# Altium PCB C210_220601.PcbDoc (part 7 of 7)
Units mm, origin at the board's own origin, x right, y up, seen from the top; angles counter-clockwise.
Board outline 68 x 129.5 mm, 6 copper layers (L1, L2, L3, L4, L5, L6), stack 1.64 mm thick; 493 components, 295 nets, 1739 pads, 1829 vias.
Unrouted connection lines stored in the file: 306.
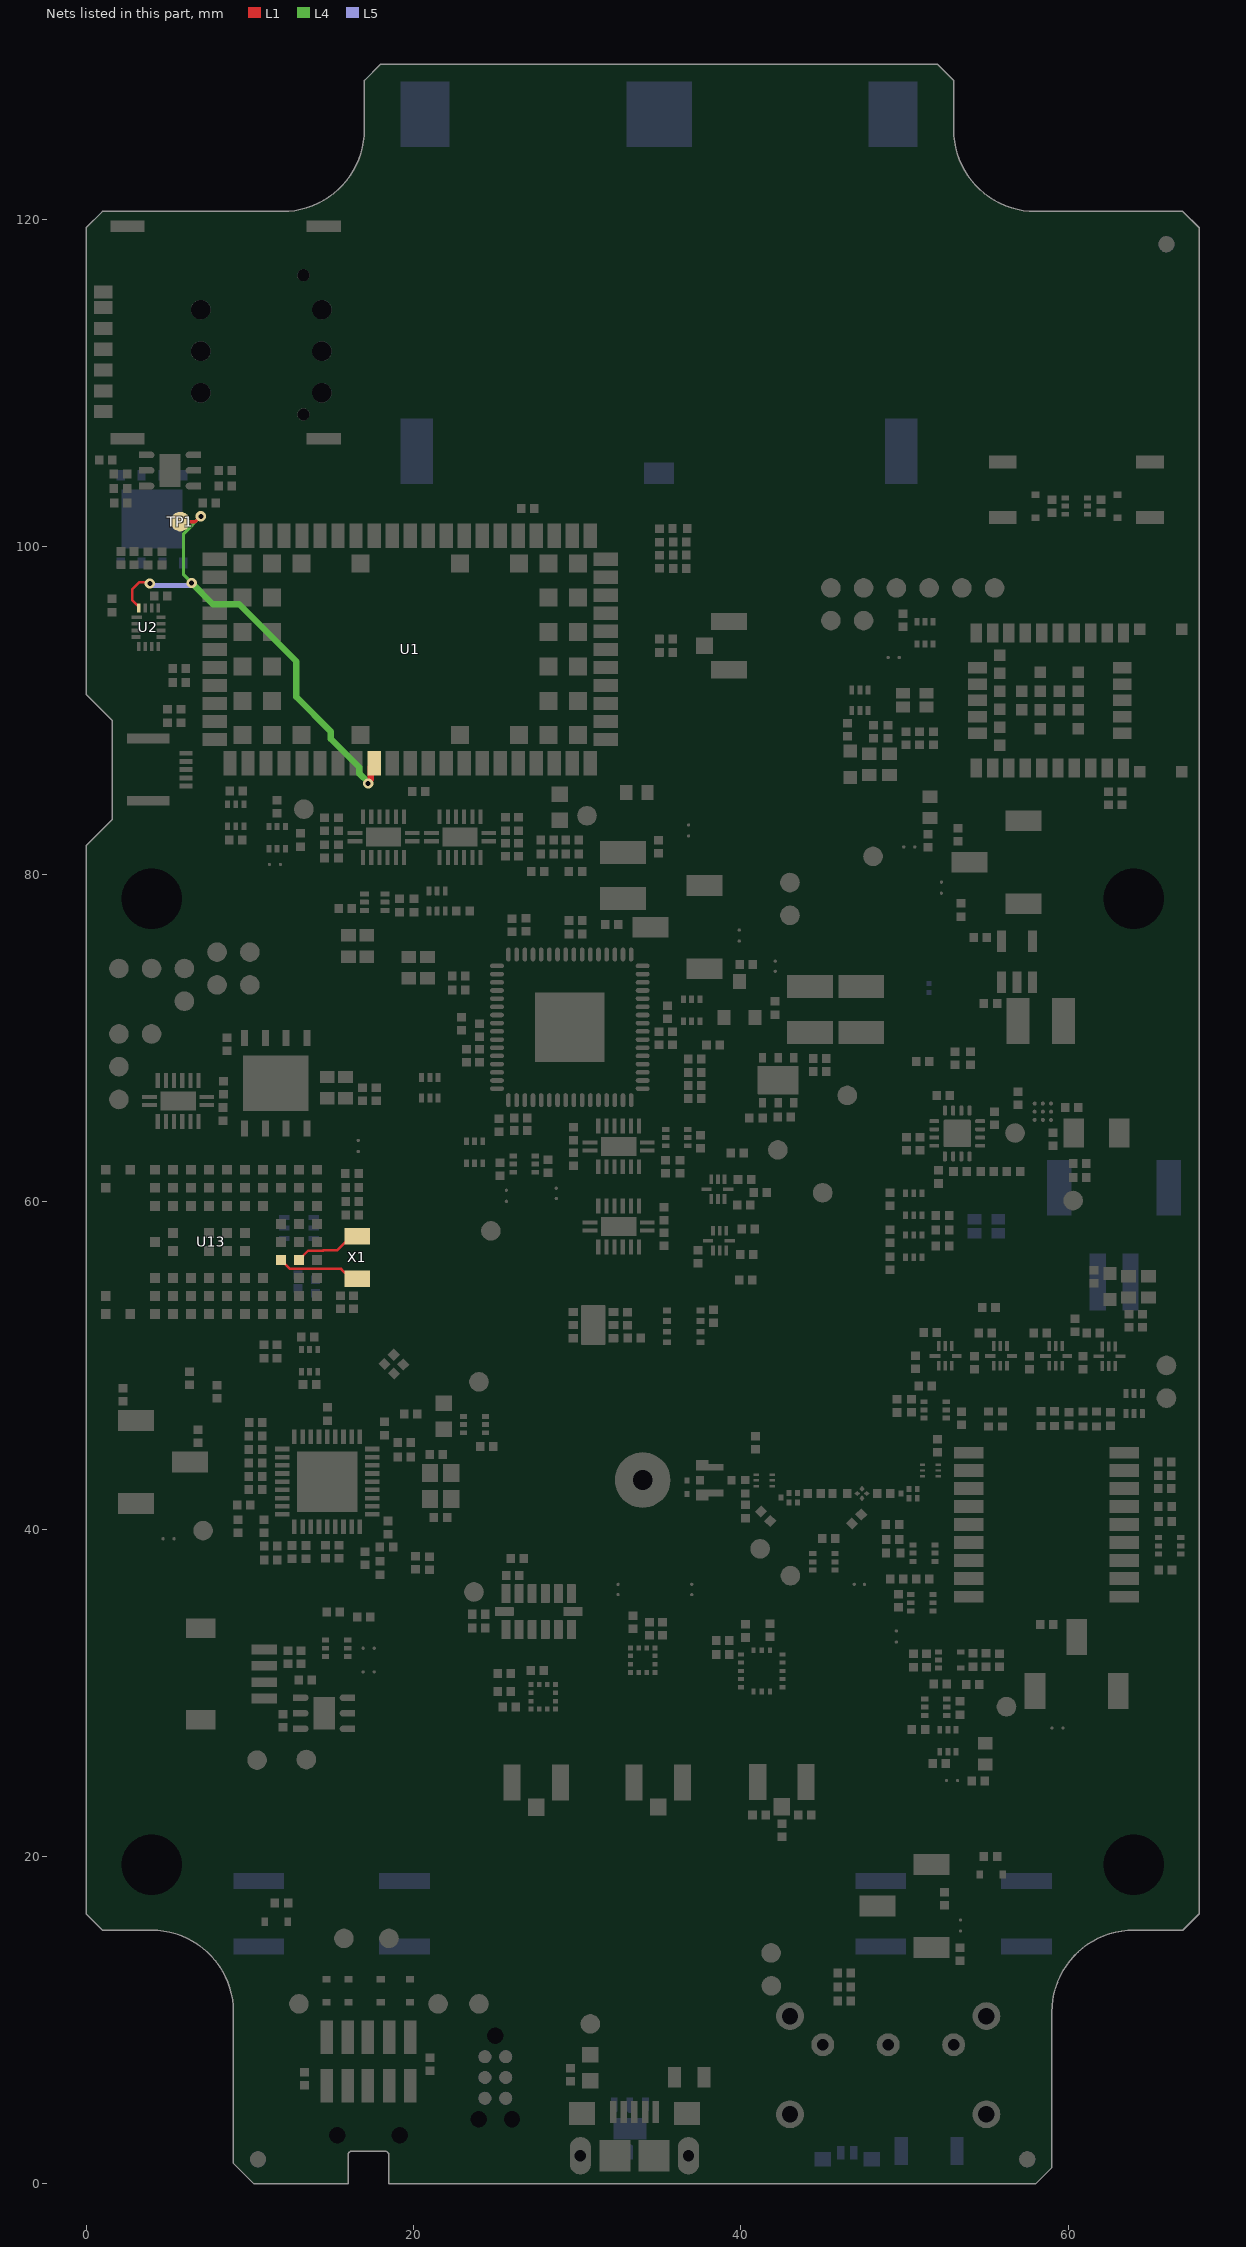
[diagram p11: the nets of this part, all layers, seen from the top]

## Via types
v1: diameter 0.635, hole 0.305, L1 to L6, tented both sides, 1829 vias

## Nets (pads, with @x,y where several pads share a name; then routed paths per layer and width w, separated by ;. In a path a pad name is that pad's centre, name@x,y a point inside that pad or via, vN(x,y) a via of type N, cw(c..) or ccw(c..) an arc to the next point about the centre after c; other vN are vias at no path point) (continued)
VSIM: TP1.1 U1.41 U2.16 | length 30.5
  L1 w0.152: U2.16@3.211,96.275 3.211,96.364 2.811,96.764 2.811,97.405 3.256,97.85 3.899,97.85 v1(3.899,97.768) ; U1.41@17.422,86.622 U1.41@17.6,86.8
  L1 w0.203: TP1.1@5.75,101.55 6.655,101.55 6.98,101.875 v1(7.005,101.875)
  L1 w0.381: v1(17.225,85.554) 17.225,85.623 17.39,85.788 17.39,86.59 U1.41@17.422,86.622
  L4 w0.203: v1(6.45,97.8) 5.95,98.3 5.95,100.82 v1(7.005,101.875)
  L4 w0.381: v1(6.45,97.8) 7.75,96.5 9.347,96.5 12.836,93.011 12.836,90.839 14.947,88.728 14.947,88.278 16.685,86.54 16.685,86.163 17.225,85.623 v1(17.225,85.554)
  L5 w0.305: v1(3.899,97.768) 4.019,97.649 6.299,97.649 v1(6.45,97.8)
XL1: U13.C6 X1.1 | length 4.7
  L1 w0.152: U13.C6@11.9,56.45 12.45,55.9 15.58,55.9 X1.1@16.155,55.325
XL2: U13.B6 X1.2 | length 4.2
  L1 w0.152: U13.B6@13,56.45 13.571,57.021 14.495,57.021 14.514,57.04 15.357,57.04 16.217,57.9 X1.2@16.575,57.9
pads on no net: A1.2 A1.3 A1.4 A1.5 A1.6 D1.5 D20.4 D20.5 D28.4 D28.5 ESIM.2 ESIM.4 ESIM.5 FD1.1 FD2.1 FD3.1 FD4.1 FD5.1 FD6.1 J11.7 J11.8 J11.MH1 J12.4 J13.1 J13.3 J13.5 J15.MH1 P1. P1.C6 Q14.6 Q16.3 Q27.3 Q28.3 SW1.3 U1.2 U1.16 U1.19 U1.21 U1.24 U1.31 U1.34 U1.35 U1.36 U1.37 U1.44 U1.45 U1.47 U1.48 U1.49 U1.62 U2.10 U3.2 U3.3 U3.4 U3.5 U3.11 U3.13 U3.15 U3.24 U3.25 U3.28 U3.29 U3.31 U3.32 U3.33 U3.34 U3.35 U3.36 U4.17 U5.17 U6.5 U6.6 U6.7 U6.10 U6.11 U6.19 U6.20 U6.21 U6.22 U6.23 U6.26 U6.27 U6.28 U6.29 U6.30 U6.31 U6.32 U6.33 U6.34 U6.35 U6.36 U6.37 U6.38 U6.40 U6.41 U6.42 U6.45 U6.50 U6.53 U7.9 U9.17 U10.12 U12.17 U13.A6 U13.J1 U13.J4 U13.J5 U13.K1 U13.K9 U15.17 U17.EPAD U23.8 U23.9 U23.11 U23.20 U23.21 U24.15 U26.3 U26.9 U26.10 U26.11 U27.7 U28.8 U30.11 U31.2
copper on no net: | length 309.4
  L1 w0.2: 204.513,27.571 227.881,27.571 227.881,29.984 204.513,29.984 204.513,27.571
  L3 w0.2: 204.513,21.526 227.881,21.526 227.881,23.939 204.513,23.939 204.513,21.526
  L4 w0.2: 204.513,18.529 227.881,18.529 227.881,20.942 204.513,20.942 204.513,18.529
  L2 w0.2: 204.513,24.574 204.513,26.987 227.881,26.987 227.881,24.574 204.513,24.574
  L5 w0.2: 204.513,15.43 204.513,17.843 227.881,17.843 227.881,15.43 204.513,15.43
  L6 w0.2: 204.513,12.458 227.881,12.458 227.881,14.871 204.513,14.871 204.513,12.458

## Polygon pours and split planes (outlines as drawn)
no net on Bottom Overlay "NONET_L01_P-001" (hatched 45Degree grid 1 track 0.203): 59.354,65 8.354,65 8.354,98 59.354,98
GND on L3 "NONET_L-01_P-001" (solid, remove dead copper, pour order 24): 68,103.5 68,108.465 54,108.465 54,103.45 16,103.45 16,120.493 1.096,120.596 0,119.5 0,108.075 0,16.5 1,15.5 4,15.5 cw(c4,10.5) 9,10.5 9,1.25 10.25,0 16,0 16,1.75 cw(c16.25,1.75) 16.25,2 18.25,2 cw(c18.25,1.75) 18.5,1.75 18.5,0 29,0 29.5,-0.5 37.5,-0.5 38,0 58,0 59,1 59,10.5 cw(c64,10.5) 64,15.5 67,15.5 68,16.5 68,86.627 64.462,86.623 64.485,94.625 68,94.626
3V3 on L5 "NONET_L-01_P-001" (solid, remove dead copper, pour order 25): 68,103.5 68,108.465 54,108.465 54,103.45 16,103.45 16,120.493 1.096,120.596 0,119.5 0,108.075 0,16.5 1,15.5 4,15.5 cw(c4,10.5) 9,10.5 9,1.25 10.25,0 16,0 16,1.75 cw(c16.25,1.75) 16.25,2 18.25,2 cw(c18.25,1.75) 18.5,1.75 18.5,0 29,0 29.5,-0.5 37.5,-0.5 38,0 58,0 59,1 59,10.5 cw(c64,10.5) 64,15.5 67,15.5 68,16.5 68,86.627 64.462,86.623 64.485,94.625 68,94.626
3V3_HUB on L5 "NONET_L-01_P-001" (solid, pour order 18): 8.211,45.811 11.175,48.775 19.575,48.775 19.8,48.55 19.8,40.4 17.125,37.725 12.364,37.725 8.211,41.878
3V3_SER on L5 "NONET_L-01_P-001" (solid, pour order 17): 20.422,70.13 20.422,70.694 20.422,75.896 21.572,76.825 31.375,76.825 31.625,76.575 31.625,76.183 36.845,70.963 36.845,70.507 30.299,63.961 25.91,63.961
GND on L1 "NONET_L-01_P-001" (solid, remove dead copper, pour order 21): 68,103.5 68,108.5 54.014,108.5 53.979,103.45 16,103.45 16,120.493 1.096,120.596 0,119.5 0,108.075 0,16.5 1,15.5 4,15.5 cw(c4,10.5) 9,10.5 9,1.25 10.25,0 16,0 16,1.75 cw(c16.25,1.75) 16.25,2 18.25,2 cw(c18.25,1.75) 18.5,1.75 18.5,0 29,0 29.5,-0.5 37.5,-0.5 38,0 58,0 59,1 59,10.5 cw(c64,10.5) 64,15.5 67,15.5 68,16.5 68,86.627 64.462,86.623 64.485,94.625 68,94.626
GND on L6 "NONET_L-01_P-001" (solid, remove dead copper, pour order 22): 68,103.5 68,119.5 67.345,120.155 54,120.231 54,103.45 16,103.45 16,120.493 1.096,120.596 0,119.5 0,108.075 0,16.5 1,15.5 4,15.5 cw(c4,10.5) 9,10.5 9,1.25 10.25,0 16,0 16,1.75 cw(c16.25,1.75) 16.25,2 18.25,2 cw(c18.25,1.75) 18.5,1.75 18.5,0 29,0 29.5,-0.5 37.5,-0.5 38,0 58,0 59,1 59,10.5 cw(c64,10.5) 64,15.5 67,15.5 68,16.5 68,86.627 64.462,86.623 64.485,94.625 68,94.626
GND on L2 "NONET_L-01_P-001" (solid, remove dead copper, pour order 23): 68,103.5 68,108.465 54,108.465 54,103.45 16,103.45 16,120.493 1.096,120.596 0,119.5 0,108.075 0,16.5 1,15.5 4,15.5 cw(c4,10.5) 9,10.5 9,1.25 10.25,0 16,0 16,1.75 cw(c16.25,1.75) 16.25,2 18.25,2 cw(c18.25,1.75) 18.5,1.75 18.5,0 29,0 29.5,-0.5 37.5,-0.5 38,0 58,0 59,1 59,10.5 cw(c64,10.5) 64,15.5 67,15.5 68,16.5 68,86.627 64.462,86.623 64.485,94.625 68,94.626
GND on L4 "NONET_L-01_P-001" (solid, remove dead copper, pour order 26): 68,103.5 68,108.465 54,108.465 54,103.45 16,103.45 16,120.493 1.096,120.596 0,119.5 0,108.075 0,16.5 1,15.5 4,15.5 cw(c4,10.5) 9,10.5 9,1.25 10.25,0 16,0 16,1.75 cw(c16.25,1.75) 16.25,2 18.25,2 cw(c18.25,1.75) 18.5,1.75 18.5,0 29,0 29.5,-0.5 37.5,-0.5 38,0 58,0 59,1 59,10.5 cw(c64,10.5) 64,15.5 67,15.5 68,16.5 68,86.627 64.462,86.623 64.485,94.625 68,94.626

## Keep-outs
Keep-Out Layer:
  rectangle: 204.513,-5.728 209.339,-3.315
  lines w0.2: 227.881,-5.728 204.513,-5.728 204.513,-3.315 227.881,-3.315
  text "Routing Keepout Layer" at 211.117,-5.042 h1.02

## Other copper
L1:
  rectangle: 204.513,27.571 209.339,29.984
  pour cut-out: 53,75.5 ccw(c52.5,75.5) 52.5,76 50.5,76 ccw(c50.5,75.5) 50,75.5 50,70.5 ccw(c50.5,70.5) 50.5,70 52.5,70 ccw(c52.5,70.5) 53,70.5
  pour cut-out: 34,46.381 ccw(c34,43) 30.619,43 ccw(c34,43) 34,39.619 ccw(c34,43) 37.381,43 ccw(c34,43)
  pour cut-out: 38.275,94.918 40.375,94.918 40.525,94.768 40.525,93.168 40.375,93.018 38.275,93.018
  pour cut-out: 41.164,25.252 41.707,25.796 43.302,25.796 43.863,25.236 43.863,21.979 42.948,21.452 42.085,21.445 41.141,21.996
  pour cut-out: 34,25.625 34.152,25.777 35.748,25.779 35.904,25.623 35.904,23.291 34,23.288
  pour cut-out: 26.55,25.573 26.702,25.726 28.298,25.727 28.454,25.571 28.454,23.24 26.55,23.236
  text ".Layer_Name" at 211.117,28.257 h1.02
L3:
  rectangle: 204.513,21.526 209.339,23.939
  pour cut-out: 53,75.5 ccw(c52.5,75.5) 52.5,76 50.5,76 ccw(c50.5,75.5) 50,75.5 50,70.5 ccw(c50.5,70.5) 50.5,70 52.5,70 ccw(c52.5,70.5) 53,70.5
  pour cut-out: 34,46.381 ccw(c34,43) 30.619,43 ccw(c34,43) 34,39.619 ccw(c34,43) 37.381,43 ccw(c34,43)
  text ".Layer_Name" at 211.117,22.212 h1.02
L4:
  rectangle: 204.513,18.529 209.339,20.942
  pour cut-out: 53,75.5 ccw(c52.5,75.5) 52.5,76 50.5,76 ccw(c50.5,75.5) 50,75.5 50,70.5 ccw(c50.5,70.5) 50.5,70 52.5,70 ccw(c52.5,70.5) 53,70.5
  pour cut-out: 34,46.381 ccw(c34,43) 30.619,43 ccw(c34,43) 34,39.619 ccw(c34,43) 37.381,43 ccw(c34,43)
  text ".Layer_Name" at 211.117,19.215 h1.02
L2:
  rectangle: 204.513,24.574 209.339,26.987
  pour cut-out: 53,75.5 ccw(c52.5,75.5) 52.5,76 50.5,76 ccw(c50.5,75.5) 50,75.5 50,70.5 ccw(c50.5,70.5) 50.5,70 52.5,70 ccw(c52.5,70.5) 53,70.5
  pour cut-out: 34,46.381 ccw(c34,43) 30.619,43 ccw(c34,43) 34,39.619 ccw(c34,43) 37.381,43 ccw(c34,43)
  text ".Layer_Name" at 211.117,25.26 h1.02
L5:
  rectangle: 204.513,15.43 209.339,17.843
  pour cut-out: 53,75.5 ccw(c52.5,75.5) 52.5,76 50.5,76 ccw(c50.5,75.5) 50,75.5 50,70.5 ccw(c50.5,70.5) 50.5,70 52.5,70 ccw(c52.5,70.5) 53,70.5
  pour cut-out: 34,46.381 ccw(c34,43) 30.619,43 ccw(c34,43) 34,39.619 ccw(c34,43) 37.381,43 ccw(c34,43)
  text ".Layer_Name" at 211.117,16.116 h1.02
L6:
  rectangle: 204.513,12.458 209.339,14.871
  pour cut-out: 53,75.5 ccw(c52.5,75.5) 52.5,76 50.5,76 ccw(c50.5,75.5) 50,75.5 50,70.5 ccw(c50.5,70.5) 50.5,70 52.5,70 ccw(c52.5,70.5) 53,70.5
  pour cut-out: 34,46.381 ccw(c34,43) 30.619,43 ccw(c34,43) 34,39.619 ccw(c34,43) 37.381,43 ccw(c34,43)
  text ".Layer_Name" at 211.117,13.144 h1.02
Multi-Layer:
  rectangle: 204.513,-8.776 209.339,-6.363
  lines w0.2: 204.513,-8.776 227.881,-8.776 227.881,-6.363 204.513,-6.363 204.513,-8.776
  text "Multilayer" at 211.117,-8.09 h0.5

## Silkscreen, mask and mechanical layers (free items; w line width, h text height)
Top Overlay:
  drawing of 196 lines, arcs and shapes, not listed
  text ".GlobalProjectLink" at 31.204,118.696 h2.54
  text "Nano SIM" at 16.275,115.798 h2.5
  text "PUSH INSERT" at 16.697,114.498 h1.5
  text "PUSH EJECT" at 16.675,113.325 h1.5
  text "C210" at 27.975,113.275 h3.81
  text "Application / Development / Platform" at 36.249,111.938 h2.5
  text "CAUTION!" at 54.751,111.8 h1.5
  text ".GlobalProjectRevision" at 42.414,111.75 h1.75
  text "DISCONNECT AND REMOVE BATTERY FROM BOARD (OPPOSITE SIDE) BEFORE PERFORMING ANY SOLDERING OPERATIONS" at 54.738,107.75 h1.1
  text "SARA-R510S" at 10.178,102.128 h3
  text "NINA UART" at 44.407,101.214 h1.5
  text "BUTTON 4" at 53.06,100.364 h1.5
  text "BUTTON 5" at 61.626,100.264 h1.5
  text "RTS" at 55.173,98.525 h1.5
  text "DSR" at 46.25,98.506 h1.5 r90
  text "CTS" at 52.45,98.5 h1.5
  text "DTR" at 48.4,98.452 h1.5 r90
  text "TX" at 50.309,98.105 h1.5 r90
  text "RX" at 52.276,98.099 h1.5 r90
  text "VSIM" at 6.511,96.457 h1.5 r90
  text "NINA-W1" at 57.003,96.164 h3
  text "GND>" at 40.785,95.057 h1.25
  text "SAFE_BOOT" at 40.826,93.819 h1.25
  text "NINA Status:" at 41.833,91.875 h1.5
  text "NFC" at 3.452,89.002 h2.5 r90
  text "SARA PWR" at 33.119,85.75 h1.75
  text "SARA 1V8" at 9.862,84.925 h1.1
  text "SARA" at 41.525,84.304 h2 r90
  text "RX" at 48.25,83.756 h1.1 r90
  text "TX" at 49.206,83.74 h1.1 r90
  text "I" at 41.074,83.354 h3 r90
  text "<GND" at 58.45,82.875 h1.5
  text "NINA / PWR" at 50.881,82.717 h1.1 r90
  text "USB/ / UART" at 47.46,82.217 h1.1 r90
  text "A" at 40.774,81.361 h2 r90
  text "VCC_NINA" at 41.482,80.649 h1.3
  text "<GND" at 38.3,80.585 h1.5 r90
  text "DDC_SDA" at 44.022,78.627 h1.4
  text "DDC_SCL" at 44.021,76.575 h1.4
  text "SARA USB/ / UART" at 7.5,76.25 h1.5
  text "RX" at 13.75,75.08 h1.5 r90
  text "TX" at 12,74.904 h1.5 r90
  text "A" at 58.92,74 h2
  text "I" at 60.912,73.65 h3
  text "NINA" at 62.056,73.2 h2
  text "TX" at 17.5,72.455 h1.25 r90
  text "RX" at 16.375,72.43 h1.25 r90
  text "CTS" at 12,72.35 h1.5 r90
  text "RTS" at 13.75,72.35 h1.5 r90
  text "RX" at 3.475,71.98 h1.25 r90
  text "TX" at 2.3,71.878 h1.25 r90
  text "CTS" at 3.885,71.585 h1.25 r45
  text "SARA-NORA UART" at 9.55,71.35 h1.25
  text "RTS" at 6.525,71.3 h1.25
  text "RX" at 20.106,71.205 h1.25 r90
  text "TX" at 21.242,71.205 h1.25 r90
  text "NORA  / USB/ / UART" at 16.036,68.25 h1.25
  text "RX" at 15.05,68.205 h1.25 r90
  text "TX" at 15.95,68.18 h1.25 r90
  text "CTS" at 2.575,68.05 h1.25
  text "RTS" at 0.8,64.55 h1.25
  text "V_BAT" at 48.551,63.301 h1.5 r90
  text "3V3" at 43.065,62.325 h1.5
  text "Li-ION" at 61.308,59.25 h1.5
  text "RX" at 64.054,56.516 h1.1 r90
  text "TX" at 65.175,56.515 h1.1 r90
  text "USB/ / UART" at 62.95,56.266 h1.1 r90
  text "ALT_INT" at 22.432,56.241 h1.4
  text "3V3_SER" at 46.175,54.241 h1.5 r90
  text "TX" at 66.726,50.591 h1.75 r90
  text "NORA-B1" at 1.176,50.409 h2.5
  text "THERMOMETER/ / HYGROMETER" at 28.128,48.85 h1.5
  text "3V3_HUB" at 26.012,48.142 h1.4 r90
  text "MAX UART" at 67.675,45.753 h1.5 r90
  text "RX" at 66.675,44.98 h1.75 r90
  text "VCC_MAX_RF" at 32.513,38.001 h1.4
  text "GND>" at 3.518,37.35 h1.4 r90
  text "VDD_NORA" at 3.619,37.075 h1.4
  text "ACCEL_INT" at 24.876,36.54 h1.5 r90
  text "A" at 0.574,35.885 h2
  text "I" at 2.184,35.552 h3
  text "VCC_LNA" at 39.826,35.401 h1.4
  text "NORA" at 3.191,35.3 h2
  text ".Layer_Name" at 211.117,34.251 h1.02
  text "ACCELEROMETER" at 21.003,32.1 h1.5
  text "MAGNETO- / METER" at 30.753,28.95 h1.5
  text "<GND" at 62.571,28.719 h1.5 r270
  text "GYROSCOPE" at 37.452,28.65 h1.5
  text "LOAD" at 40.38,26.251 h1.5
  text "EXPANSION PORT" at 5.65,26.233 h1.5 r90
  text "OPEN" at 25.562,26.25 h1.5
  text "SHORT" at 32.875,26.25 h1.5
  text "A" at 58.695,23.8 h2
  text "VCC_MAX" at 56.625,23.749 h1.1 r90
  text "Y" at 30.272,22.36 h1.5
  text "MAX-M10S" at 67.552,22.227 h2.5 r90
  text "I" at 56.573,22.096 h3
  text "MAX" at 57.591,21.646 h2
  text "I2C_SCL" at 10.802,19.875 h1.5 r90
  text "I2C_SDA" at 13.775,19.85 h1.5 r90
  text "GND>" at 44.8,18.95 h1.5
  text "I" at 40.768,17.4 h3
  text "Z" at 30.03,17.25 h1.5
  text "BOARD" at 41.73,17 h1.5
  text "X" at 36.03,16.75 h1.5
  text "SWCLK" at 16.511,16.051 h1.5 r90
  text "SWO" at 19.386,16.051 h1.5 r90
  text "A" at 42.703,15.279 h2
  text "SENSOR ORIENTATION" at 27.783,14.5 h1.5
  text "SYS_RST" at 35.31,13.175 h1.5
  text "SWDIO" at 13.764,12.098 h1.5 r90
  text "RESET" at 22.836,12.051 h1.5 r90
  text "GND" at 24.967,11.938 h1.5 r90
  text "CHRG_OUT" at 34.15,11.171 h1.5
  text "VBUS" at 32.586,8.151 h1.5 r90
  text "TAG-CONNECT / TC2030-CTX-NL" at 27.746,4.82 h1.1 r90
  text "OFF" at 58,3.771 h2.54 r90
  text "ON" at 42,3.651 h2.54 r90
  text "SWD INTERFACE TO NORA-B1 HOST" at 20.675,0.587 h1.4
Bottom Overlay:
  drawing of 485 lines, arcs and shapes, not listed
  text "RoHS" at 66.95,106.5 h2.54
  text "CAUTION!" at 19.199,102 h1.5
  text "LTE-M/NB-IOT CELLULAR ANTENNA" at 47.733,101.5 h1.75
  text "DISCONNECT AND REMOVE BATTERY FROM BOARD BEFORE PERFORMING ANY SOLDERING OPERATIONS" at 19.287,98.875 h1.1
  text "EMOO" at 55.269,70.752 h2 r270
  text "Li-PO" at 58.222,62.353 h3
  text "RGB LED" at 53.212,57.25 h2
  text "LIGHT SENSOR" at 21.397,56.979 h2
  text "In loving memory of Joakim Rydén - a dearly beloved friend and colleague." at 45.838,29.475 h2.5
  text "+5dBi RHCP GNSS ANTENNA" at 48.25,26.5 h2
  text "1570 - 1610MHz" at 40.914,24.85 h2
  text "BUTTON 2" at 19.098,20.419 h2
  text "BUTTON 1" at 56.698,20.394 h2
  text ".GlobalProjectLink" at 38.086,14.673 h2.54
  text "C210" at 37.476,11.223 h3.81
  text ".Layer_Name" at 211.117,7.15 h1.02
  text "Application / Development / Platform" at 39.898,6.3 h2
  text "TAG-CONNECT / TC2030-CTX-NL" at 22.38,4.825 h1.1 r270
  text "SWD INTERFACE TO NORA-B1 HOST" at 20.686,3.8 h1.4
  text "SYSTEM  / RESET" at 56.188,3.725 h1.5
  text "RED: CHRG" at 45.945,2.801 h1.5 r270
  text "GRN: PWR" at 47.069,2.701 h1.5 r270
Top Paste:
  rectangle: 204.513,36.563 209.339,38.976
  region: 30.201,0.52 ccw(c30.201,1.22) 30.901,1.22 30.901,2.22 ccw(c30.201,2.22) 30.201,2.92 29.176,2.92 ccw(c29.176,2.295) 28.551,2.295 28.551,1.07 ccw(c29.101,1.07) 29.101,0.52
  region: 36.799,0.52 cw(c36.799,1.22) 36.1,1.22 36.1,2.22 cw(c36.799,2.22) 36.799,2.92 37.825,2.92 cw(c37.825,2.295) 38.45,2.295 38.45,1.07 cw(c37.9,1.07) 37.9,0.52
  lines w0.2: 204.513,36.563 227.881,36.563 227.881,38.976 204.513,38.976 204.513,36.563
  text ".Layer_Name" at 211.117,37.249 h1.02
Bottom Paste:
  rectangle: 204.513,3.466 209.339,5.879
  lines w0.2: 204.513,3.466 227.881,3.466 227.881,5.879 204.513,5.879 204.513,3.466
  text ".Layer_Name" at 211.117,4.152 h1.02
Top Solder:
  rectangle: 204.513,30.568 209.339,32.981
  region: 47.05,42.325 47.245,42.52 47.555,42.52 47.75,42.325 47.75,42.03 47.521,41.801 47.274,41.801 47.05,42.025
  region: 0.425,115.05 0.425,115.125 1.675,115.125 1.675,115.05
  lines w0.2: 204.513,30.568 204.513,32.981 227.881,32.981 227.881,30.568 204.513,30.568
  text ".Layer_Name" at 211.117,31.254 h1.02
Bottom Solder:
  rectangle: 204.513,9.461 209.339,11.874
  lines w0.2: 204.513,9.461 227.881,9.461 227.881,11.874 204.513,11.874 204.513,9.461
  text ".Layer_Name" at 211.117,10.147 h1.02
Drill Guide:
  rectangle: 204.513,0.469 209.339,2.882
  lines w0.2: 204.513,0.469 204.513,2.882 227.881,2.882 227.881,0.469 204.513,0.469
  text ".Layer_Name" at 211.117,1.155 h1.02
Mechanical 1:
  circle w0.127: c10,125.5 r2.5
  circle w0.127: c58.053,125.5 r2.5
  circle w0.127: c3.5,9.5 r2.5
  circle w0.127: c63.5,9.5 r2.5
  rectangle: 204.513,63.551 209.339,65.964
  lines w0.2: 204.513,63.551 204.513,65.964 227.881,65.964 227.881,63.551 204.513,63.551
  text ".Layer_Name" at 211.117,64.237 h1.02
Border & Title:
  drawing of 52 lines, arcs and shapes, not listed
  text "1" at -5.56,175.625 h1.78
  text "2" at 64.307,175.625 h1.78
  text "3" at 134.03,175.625 h1.78
  text "4" at 203.905,175.625 h1.78
  text "REVISION" at 184.912,169.723 h2.03
  text "REV" at 149.098,165.405 h1.52
  text "DESCRIPTION" at 160.02,165.405 h1.52
  text "DATE" at 209.804,165.405 h1.52
  text "BY" at 225.806,165.405 h1.52
  text ".ReleaseRev1" at 149.098,161.595 h1.27
  text ".ReleaseDesc1" at 160.02,161.595 h1.27
  text ".ReleaseBy1" at 224.536,161.595 h1.27
  text ".ReleaseDate1" at 207.772,161.341 h1.27
  text ".ReleaseRev2" at 149.098,157.785 h1.27
  text ".ReleaseDesc2" at 160.02,157.785 h1.27
  text ".ReleaseDate2" at 207.772,157.785 h1.27
  text ".ReleaseBy2" at 224.536,157.785 h1.27
  text ".ReleaseRev3" at 149.098,153.975 h1.27
  text ".ReleaseDesc3" at 160.02,153.975 h1.27
  text ".ReleaseDate3" at 207.772,153.975 h1.27
  text ".ReleaseBy3" at 224.536,153.975 h1.27
  text "A" at -37.979,149.768 h1.78
  text "A" at 236.341,149.768 h1.78
  text "B" at -37.979,95.793 h1.78
  text "B" at 236.341,95.793 h1.78
  text "LAYER USAGE" at 205.783,67.373 h2.03
  text "C" at -37.979,41.818 h1.78
  text "C" at 236.341,41.818 h1.78
  text "D" at -37.979,-12.03 h1.78
  text "D" at 236.341,-12.03 h1.78
  text "PROJECT:" at 158.947,-15.282 h1.27
  text "ENGINEER:" at 120.441,-15.307 h1.27
  text ".ProjectEngineer" at 132.08,-16.967 h1.78
  text ".GlobalProjectName" at 169.926,-16.967 h2.03
  text "PCB NAME:" at 158.82,-20.717 h1.27
  text "DATE:" at 120.517,-20.819 h1.27
  text "REV:" at 212.135,-21.047 h1.27
  text ".GlobalProjectRevision" at 219.384,-22.942 h2.03
  text ".GlobalReleaseDate" at 127.762,-23.063 h1.78
  text ".PCBName" at 169.926,-23.063 h2.03
  text "DWG NO:" at 120.65,-27.127 h1.27
  text "FILE NAME:" at 158.75,-27.127 h1.27
  text "SCALE:" at 212.008,-27.321 h1.27
  text "CONFIDENTIAL" at 91.042,-29.254 h2.03
  text ".Pcb_File_Name_No_Path" at 161.036,-29.921 h1.52
  text "1:1" at 220.72,-30.039 h1.27
  text ".PCBDocNum" at 127.254,-30.175 h1.52
  text "1" at -5.56,-35.195 h1.78
  text "2" at 64.307,-35.195 h1.78
  text "3" at 134.03,-35.195 h1.78
  text "4" at 203.905,-35.195 h1.78
Fabrication Notes:
  rectangle: 204.513,60.667 209.339,63.08
  lines w0.127: -34.804,137 80.041,137 80.041,173.974 ; 60.825,109.225 67.725,109.225 67.725,117.525 65.075,117.525 65.075,120.175 60.825,120.175 60.825,109.225
  lines w0.2: 204.513,60.667 204.513,63.08 227.881,63.08 227.881,60.667 204.513,60.667
  lines w0.203: -19.325,50.396 -0.047,50.396 ; -19.325,64.596 0.003,64.596 ; 26.55,-19.475 26.55,-0.147 ; 40.75,-19.475 40.75,-0.197 ; 67.872,83.6 87.2,83.6 ; 67.922,97.8 87.2,97.8
  lines w0.381: 89.831,8.73 100.243,8.73 123.858,8.73 145.696,8.73 162.202,8.73 176.677,8.73 ; 89.831,11.778 100.243,11.778 123.858,11.778 145.696,11.778 162.202,11.778 176.677,11.778 ; 89.831,14.826 100.243,14.826 123.858,14.826 145.696,14.826 162.202,14.826 176.677,14.826 ; 89.831,17.874 100.243,17.874 123.858,17.874 145.696,17.874 162.202,17.874 176.677,17.874 ; 89.831,20.922 100.243,20.922 123.858,20.922 145.696,20.922 162.202,20.922 176.677,20.922 ; 89.831,23.97 100.243,23.97 123.858,23.97 145.696,23.97 162.202,23.97 176.677,23.97 ; 89.831,27.018 100.243,27.018 123.858,27.018 145.696,27.018 162.202,27.018 176.677,27.018 ; 89.831,30.066 100.243,30.066 123.858,30.066 145.696,30.066 162.202,30.066 176.677,30.066 ; 89.831,33.114 100.243,33.114 123.858,33.114 145.696,33.114 162.202,33.114 176.677,33.114 ; 89.831,36.162 100.243,36.162 123.858,36.162 145.696,36.162 162.202,36.162 176.677,36.162 ; 89.831,39.21 100.243,39.21 123.858,39.21 145.696,39.21 162.202,39.21 176.677,39.21 ; 89.831,42.258 100.243,42.258 123.858,42.258 145.696,42.258 162.202,42.258 176.677,42.258 ; 89.831,45.306 100.243,45.306 123.858,45.306 145.696,45.306 162.202,45.306 176.677,45.306 ; 89.831,48.354 100.243,48.354 123.858,48.354 145.696,48.354 162.202,48.354 176.677,48.354 ; 89.831,51.402 176.677,51.402 ; 100.243,54.45 100.243,5.682 ; 123.858,54.45 123.858,5.682 ; 145.696,54.45 145.696,5.682 ; 162.202,54.45 162.202,5.682 ; 100.243,5.682 89.831,5.682 89.831,54.45 176.677,54.45 176.677,5.682 162.202,5.682 ; 100.243,5.682 123.858,5.682 ; 123.858,5.682 145.696,5.682 ; 145.696,5.682 162.202,5.682
  text "Fabrication Notes:" at -33,170.5 h1.78
  text "1. Fabricate to meet or exceed IPC 6011/6012 Class 2, as definied in IPC-2221" at -33,168 h1.27
  text "2. Prepreg Material: High-Tg FR4 with TG >= 170, TD >= 340" at -33,166 h1.27
  text "3. Minimum trace width is 0.127mm, minimum spacing is 0.127mm" at -33,164 h1.27
  text "4. Board finish: Electroless Nickel, Immersion Gold (ENIG)" at -33,162 h1.27
  text "5. Flammability: Materials to meet UL94V-0 specification" at -33,160 h1.27
  text "6. Apply gloss finish LPI Soldermask (Green) on both sides (minimum thickness 10um)" at -33,158 h1.27
  text "7. Silkscreen on both sides using white epoxy ink or equivalent," at -33,156 h1.27
  text "registration to be 10mil, clear silkscreen from all exposed pads" at -29.5,154 h1.27
  text "8. The fabricated board shall be RoHS compliant" at -33,152 h1.27
  text "9. Supplier to add date code, UL marking, flammability rating, and lead-free marking" at -33,150 h1.27
  text "on bottom silkscreen layer in the indicated area" at -29.5,148 h1.27
  text "10. Individual PCBs to be smooth and free of any fiberglass shards or sharp features" at -34,146 h1.27
  text "after de-paneling (singulation)" at -29.5,144 h1.27
  text "Supplier to add date code, flammability rating, UL marking, and Pb-free marking here" at 61.075,119.925 h0.46 r270
  text "No panel tabs /  in this area" at 70.125,88.825 h1.27
  text ".Layer_Name" at 211.117,61.353 h1.02
  text "6 Layer PCB 1.6mm +/- 10% Finished Thickness" at 90.525,56.5 h1.52
  text "No panel tabs /  in this area" at -17.725,55.05 h1.27
  text "Layer" at 91.609,52.164 h1.52
  text "Name" at 102.021,52.164 h1.52
  text "Material" at 125.636,52.164 h1.52
  text "Thickness" at 147.474,52.164 h1.52
  text "Constant" at 163.98,52.164 h1.52
  text "Top Overlay" at 102.021,49.116 h1.52
  text "Top Solder" at 102.021,46.068 h1.52
  text "Solder Resist" at 125.636,46.068 h1.52
  text "0.013mm" at 147.474,46.068 h1.52
  text "3.5" at 163.98,46.068 h1.52
  text "1" at 91.609,43.02 h1.52
  text "L1" at 102.021,43.02 h1.52
  text "0.035mm" at 147.474,43.02 h1.52
  text "Dielectric 1" at 102.021,39.972 h1.52
  text "PP-023" at 125.636,39.972 h1.52
  text "0.218mm" at 147.474,39.972 h1.52
  text "4.5" at 163.98,39.972 h1.52
  text "2" at 91.609,36.924 h1.52
  text "L2" at 102.021,36.924 h1.52
  text "CF-004" at 125.636,36.924 h1.52
  text "0.035mm" at 147.474,36.924 h1.52
  text "Dielectric 2" at 102.021,33.876 h1.52
  text "Core-034" at 125.636,33.876 h1.52
  text "0.406mm" at 147.474,33.876 h1.52
  text "4.6" at 163.98,33.876 h1.52
  text "3" at 91.609,30.828 h1.52
  text "L3" at 102.021,30.828 h1.52
  text "CF-004" at 125.636,30.828 h1.52
  text "0.035mm" at 147.474,30.828 h1.52
  text "Dielectric 3" at 102.021,27.78 h1.52
  text "PP-021" at 125.636,27.78 h1.52
  text "0.180mm" at 147.474,27.78 h1.52
  text "4.7" at 163.98,27.78 h1.52
  text "4" at 91.609,24.732 h1.52
  text "L4" at 102.021,24.732 h1.52
  text "CF-004" at 125.636,24.732 h1.52
  text "0.035mm" at 147.474,24.732 h1.52
  text "Dielectric 4" at 102.021,21.684 h1.52
  text "Core-034" at 125.636,21.684 h1.52
  text "0.406mm" at 147.474,21.684 h1.52
  text "4.6" at 163.98,21.684 h1.52
  text "5" at 91.609,18.636 h1.52
  text "L5" at 102.021,18.636 h1.52
  text "CF-004" at 125.636,18.636 h1.52
  text "0.035mm" at 147.474,18.636 h1.52
  text "Dielectric 5" at 102.021,15.588 h1.52
  text "PP-023" at 125.636,15.588 h1.52
  text "0.218mm" at 147.474,15.588 h1.52
  text "4.5" at 163.98,15.588 h1.52
  text "6" at 91.609,12.54 h1.52
  text "L6" at 102.021,12.54 h1.52
  text "0.035mm" at 147.474,12.54 h1.52
  text "Bottom Solder" at 102.021,9.492 h1.52
  text "Solder Resist" at 125.636,9.492 h1.52
  text "0.013mm" at 147.474,9.492 h1.52
  text "3.5" at 163.98,9.492 h1.52
  text "Bottom Overlay" at 102.021,6.444 h1.52
  text "No panel tabs /  in this area" at 31.775,-2.4 h1.27 r270
Rigid Outline:
  rectangle: 204.513,57.67 209.339,60.083
  lines w0.01: 50,70.5 ccw(c50.5,70.5) 51,70.5 51,75.5 ccw(c50.5,75.5) 50,75.5 50,70.5 ; 52,70.5 ccw(c52.5,70.5) 53,70.5 53,75.5 ccw(c52.5,75.5) 52,75.5 52,70.5
  lines w0.127: 0,119.5 0,91 1.6,89.4 1.6,83.35 0,81.75 0,16.5 1,15.5 4,15.5 cw(c4,10.5) 9,10.5 9,1.25 10.25,0 ; 0,119.5 1,120.5 12,120.5 ccw(c12,125.5) 17,125.5 17,128.5 18,129.5 52,129.5 53,128.5 53,125.5 ccw(c58,125.5) 58,120.5 67,120.5 68,119.5 68,16.5 67,15.5 64,15.5 ccw(c64,10.5) 59,10.5 59,1 ; 16,0 16,1.75 cw(c16.25,1.75) 16.25,2 18.25,2 cw(c18.25,1.75) 18.5,1.75 18.5,0
  lines w0.15: 10.25,0 14,0 16,0 ; 58,0 59,1 ; 59,1 59,1
  lines w0.152: 18.5,0 58,0
  lines w0.2: 204.513,57.67 227.881,57.67 227.881,60.083 204.513,60.083 204.513,57.67
  text ".Layer_Name" at 211.117,58.356 h1.02
Ref Des Top:
  rectangle: 204.513,54.673 209.339,57.086
  lines w0.2: 204.513,54.673 227.881,54.673 227.881,57.086 204.513,57.086 204.513,54.673
  text ".Layer_Name" at 211.117,55.359 h0.5
  text "$Id: CDI_001_rigid_flex_v1.5.brd 3140 2014-06-26 15:58:28Z davisj $" at -173.551,-55.442 h0.5
Ref Des Bottom:
  rectangle: 204.513,51.625 209.339,54.038
  lines w0.2: 204.513,51.625 227.881,51.625 227.881,54.038 204.513,54.038 204.513,51.625
  text ".Layer_Name" at 211.117,52.311 h0.5
Assembly Top:
  rectangle: 204.513,48.678 209.339,51.091
  lines w0.2: 204.513,48.678 204.513,51.091 227.881,51.091 227.881,48.678 204.513,48.678
  text ".Layer_Name" at 211.117,49.364 h1.02
Assembly Bottom:
  rectangle: 204.513,45.681 209.339,48.094
  lines w0.2: 204.513,45.681 204.513,48.094 227.881,48.094 227.881,45.681 204.513,45.681
  text ".Layer_Name" at 211.117,46.367 h1.02
Courtyard Top:
  rectangle: 204.513,42.633 209.339,45.046
  lines w0.2: 204.513,42.633 204.513,45.046 227.881,45.046 227.881,42.633 204.513,42.633
  text ".Layer_Name" at 211.117,43.319 h1.02
Coutryard Bottom:
  rectangle: 204.513,39.585 209.339,41.998
  lines w0.2: 204.513,39.585 204.513,41.998 227.881,41.998 227.881,39.585 204.513,39.585
  text ".Layer_Name" at 211.117,40.271 h1.02
Drill Drawing:
  circle w0.254: c92.667,113.897 r0.443
  circle w0.254: c92.667,113.897 r0.739
  circle w0.254: c92.667,90.625 r0.739
  rectangle: 204.513,-2.528 209.339,-0.115
  lines w0.2: 204.513,-2.528 227.881,-2.528 227.881,-0.115 204.513,-0.115 204.513,-2.528
  lines w0.254: 91.928,83.236 92.667,83.606 93.406,83.236 93.036,83.975 93.406,84.714 92.667,84.345 91.928,84.714 92.297,83.975 91.928,83.236 ; 91.928,86.93 92.297,86.93 92.667,86.561 93.036,86.93 93.406,86.93 93.036,87.3 93.406,87.669 93.036,87.669 92.667,88.039 92.297,87.669 91.928,87.669 92.297,87.3 91.928,86.93 ; 91.928,93.21 93.406,93.21 93.406,94.688 91.928,94.688 91.928,93.21 ; 91.928,97.274 92.667,96.535 93.406,97.274 92.667,98.013 91.928,97.274 ; 91.928,100.229 92.297,100.229 92.297,99.86 93.036,99.86 93.036,100.229 93.406,100.229 93.406,100.968 93.036,100.968 93.036,101.338 92.297,101.338 92.297,100.968 91.928,100.968 91.928,100.229 ; 91.928,104.662 93.406,104.662 92.667,103.185 91.928,104.662 ; 91.928,106.509 93.406,106.509 93.406,107.987 91.928,107.987 91.928,106.509 ; 91.928,109.834 91.928,110.203 92.297,110.573 91.928,110.942 91.928,111.312 92.297,111.312 92.667,110.942 93.036,111.312 93.406,111.312 93.406,110.942 93.036,110.573 93.406,110.203 93.406,109.834 93.036,109.834 92.667,110.203 92.297,109.834 91.928,109.834 ; 92.224,106.805 93.11,106.805 93.11,107.691 92.224,107.691 92.224,106.805
  lines w0.381: 90.593,82.239 207.281,82.239 ; 90.593,115.486 207.281,115.486 ; 102.906,78.914 102.906,118.811 ; 118.477,78.914 118.477,118.811 ; 148.405,78.914 148.405,118.811 ; 159.721,78.914 159.721,118.811 ; 176.089,78.914 176.089,118.811 ; 90.593,78.914 207.281,78.914 207.281,118.811 90.593,118.811 90.593,78.914
  text "All drill holes and slots are +/- 0.127mm tolerance" at 92.45,119.525 h1.52
  text "Symbol" at 92.588,116.483 h1.6
  text "Hit Count" at 103.904,116.483 h1.6
  text "Finished Hole Size" at 119.474,116.483 h1.6
  text "Plated" at 149.402,116.483 h1.6
  text "Hole Type" at 160.719,116.483 h1.6
  text "Routed Path Length" at 177.087,116.483 h1.6
  text "1829" at 103.904,113.159 h1.33
  text "0.305mm (12.00mil)" at 119.474,113.159 h1.33
  text "PTH" at 149.402,113.159 h1.33
  text "Round" at 160.719,113.159 h1.33
  text "-" at 177.087,113.159 h1.33
  text "3" at 103.904,109.834 h1.33
  text "0.700mm (27.56mil)" at 119.474,109.834 h1.33
  text "PTH" at 149.402,109.834 h1.33
  text "Round" at 160.719,109.834 h1.33
  text "-" at 177.087,109.834 h1.33
  text "2" at 103.904,106.509 h1.33
  text "0.700mm (27.56mil)" at 119.474,106.509 h1.33
  text "PTH" at 149.402,106.509 h1.33
  text "Slot" at 160.719,106.509 h1.33
  text "1.000mm (39.37mil)" at 177.087,106.509 h1.33
  text "2" at 103.904,103.185 h1.33
  text "0.750mm (29.53mil)" at 119.474,103.185 h1.33
  text "NPTH" at 149.402,103.185 h1.33
  text "Round" at 160.719,103.185 h1.33
  text "-" at 177.087,103.185 h1.33
  text "3" at 103.904,99.86 h1.33
  text "1.000mm (39.37mil)" at 119.474,99.86 h1.33
  text "NPTH" at 149.402,99.86 h1.33
  text "Round" at 160.719,99.86 h1.33
  text "-" at 177.087,99.86 h1.33
  text "4" at 103.904,96.535 h1.33
  text "1.000mm (39.37mil)" at 119.474,96.535 h1.33
  text "PTH" at 149.402,96.535 h1.33
  text "Round" at 160.719,96.535 h1.33
  text "-" at 177.087,96.535 h1.33
  text "2" at 103.904,93.21 h1.33
  text "1.020mm (40.16mil)" at 119.474,93.21 h1.33
  text "NPTH" at 149.402,93.21 h1.33
  text "Round" at 160.719,93.21 h1.33
  text "-" at 177.087,93.21 h1.33
  text "6" at 103.904,89.886 h1.33
  text "1.200mm (47.24mil)" at 119.474,89.886 h1.33
  text "NPTH" at 149.402,89.886 h1.33
  text "Round" at 160.719,89.886 h1.33
  text "-" at 177.087,89.886 h1.33
  text "1" at 103.904,86.561 h1.33
  text "1.200mm (47.24mil)" at 119.474,86.561 h1.33
  text "PTH" at 149.402,86.561 h1.33
  text "Round" at 160.719,86.561 h1.33
  text "-" at 177.087,86.561 h1.33
  text "4" at 103.904,83.236 h1.33
  text "3.700mm (145.67mil)" at 119.474,83.236 h1.33
  text "NPTH" at 149.402,83.236 h1.33
  text "Round" at 160.719,83.236 h1.33
  text "-" at 177.087,83.236 h1.33
  text "1856 Total" at 103.904,79.912 h1.33
  text "Slot definitions :" at 92.588,76.634 h1.33
  text "Routed Path Length" at 115.567,76.634 h1.33
  text "= Calculated from tool start centre position to tool end centre position." at 140.098,76.634 h1.33
  text "Hole Length" at 115.567,74.353 h1.33
  text "= Routed Path Length + Tool Size = Slot length as defined in the PCB layout" at 131.014,74.353 h1.33
  text ".Layer_Name" at 211.117,-1.842 h1.02
Ground Plane 1:
  pour cut-out: 21.488,49.216 21.488,50.451 cw(c24.028,50.451) 24.028,52.991 43.923,52.991 cw(c43.923,50.451) 46.463,50.451 46.463,30.465 cw(c43.923,30.465) 43.923,27.925 23.928,27.925 cw(c23.928,30.465) 21.388,30.465 21.388,32.291
  region: 34.075,105.15 34.075,103.85 35.925,103.85 35.925,105.15
  region: 33.025,128.45 33.025,124.45 36.984,124.45 36.984,128.45
  region: 47.8,128.45 47.8,124.45 50.8,124.45 50.8,128.45
  region: 19.2,128.45 19.2,124.45 22.2,124.45 22.2,128.45
  region: 48.8,107.85 50.8,107.85 50.8,103.85 48.8,103.85
  region: 19.2,107.85 21.2,107.85 21.2,103.85 19.2,103.85
  pour cut-out: 8.525,101.975 59.525,101.975 59.525,68.988 8.525,68.988
  lines w0.127: 33,40.5 35,40.5 ; 33.988,39.5 33.988,41.5 34.037,41.5 ; 19,103.8 19,128.8 51,128.8 51,103.8 19,103.8
  text "PCS.66.A" at 29.878,117.828 h3
  text "2.4GHz antenna / (WiFi)" at 65.775,88.775 h3
  text "Extents of 51x33x6mm Li-ion pack on antenna (PCB bottom, but product top) side. / Ground Plane continuous through this area." at 10.575,87.525 h3
  text "2.4GHz antenna / (BLE)" at -15.9,55.8 h3
  text "Extents of 25mm GNSS antenna. / Ground Plane continuous through this area." at 23,41.5 h3
Ground Plane 2:
  pour cut-out: 21.449,49.409 21.449,50.644 cw(c23.989,50.644) 23.989,53.184 43.884,53.184 cw(c43.884,50.644) 46.424,50.644 46.424,30.657 cw(c43.884,30.657) 43.884,28.117 23.889,28.117 cw(c23.889,30.657) 21.349,30.657 21.349,32.484
  region: 19.2,107.85 21.2,107.85 21.2,103.85 19.2,103.85
  region: 48.8,107.85 50.8,107.85 50.8,103.85 48.8,103.85
  region: 19.2,128.45 19.2,124.45 22.2,124.45 22.2,128.45
  region: 47.8,128.45 47.8,124.45 50.8,124.45 50.8,128.45
  region: 33.025,128.45 33.025,124.45 36.984,124.45 36.984,128.45
  region: 34.075,105.15 34.075,103.85 35.925,103.85 35.925,105.15
  pour cut-out: 8.5,102 59.5,102 59.5,69.013 8.5,69.013
  lines w0.127: 33,40.5 35,40.5 ; 33.988,39.5 33.988,41.5 34.037,41.5 ; 19,103.8 19,128.8 51,128.8 51,103.8 19,103.8
  text "PCS.66.A" at 28.878,117.828 h3
  text "2.4GHz antenna / (WiFi)" at 65.775,88.775 h3
  text "Extents of 51x33x6mm Li-ion pack on antenna (PCB bottom, but product top) side. / Ground Plane continuous through this area." at 10.575,87.525 h3
  text "2.4GHz antenna / (BLE)" at -15.9,55.8 h3
  text "Extents of 25mm GNSS antenna. / Ground Plane continuous through this area." at 23,41.5 h3

## Dimensions
-0.05,16.5 to 9,1.25 on Coutryard Bottom
0,16.5 to 68,16.5 on Coutryard Bottom
10.25,0 to 1.096,120.596 on Coutryard Bottom
10.25,0 to -15.9,55.8 on Coutryard Bottom
68,108.5 to 58,0 on Coutryard Bottom
58,0 to 68,68.902 on Coutryard Bottom
0,16.5 to 59,1 on Coutryard Bottom
33.988,39.5 to 58,0.5 on Coutryard Bottom
68,86.627 to 58,0 on Coutryard Bottom
10.25,0 to 1,15.5 on Coutryard Bottom
0,119.5 to 53.981,121 on Coutryard Bottom
10.25,0 to 1,15.5 on Coutryard Bottom
68,86.627 to 58,0 on Coutryard Bottom
33.988,39.5 to 58,0.5 on Coutryard Bottom
0,16.5 to 59,1 on Coutryard Bottom
-0.05,16.5 to 9,1.25 on Coutryard Bottom
58,0 to 68,68.902 on Coutryard Bottom
68,120.5 to 58,0 on Coutryard Bottom
-0.025,119.35 to 16,120.5 on Coutryard Bottom
10.25,0 to -15.9,55.8 on Coutryard Bottom
10.25,0 to 1.096,120.596 on Coutryard Bottom
0,16.5 to 68,16.5 on Coutryard Bottom